# Altium PCB DemetrioGurgel - PCEIoT.PcbDoc (part 2 of 3)
Units mm, origin at the board's own origin, x right, y up, seen from the top; angles counter-clockwise.
Board outline 125 x 60 mm, 4 copper layers (Top Copper, Top Ref, Botton Ref, Bottom Copper), stack 1.586 mm thick; 166 components, 93 nets, 454 pads, 542 vias.
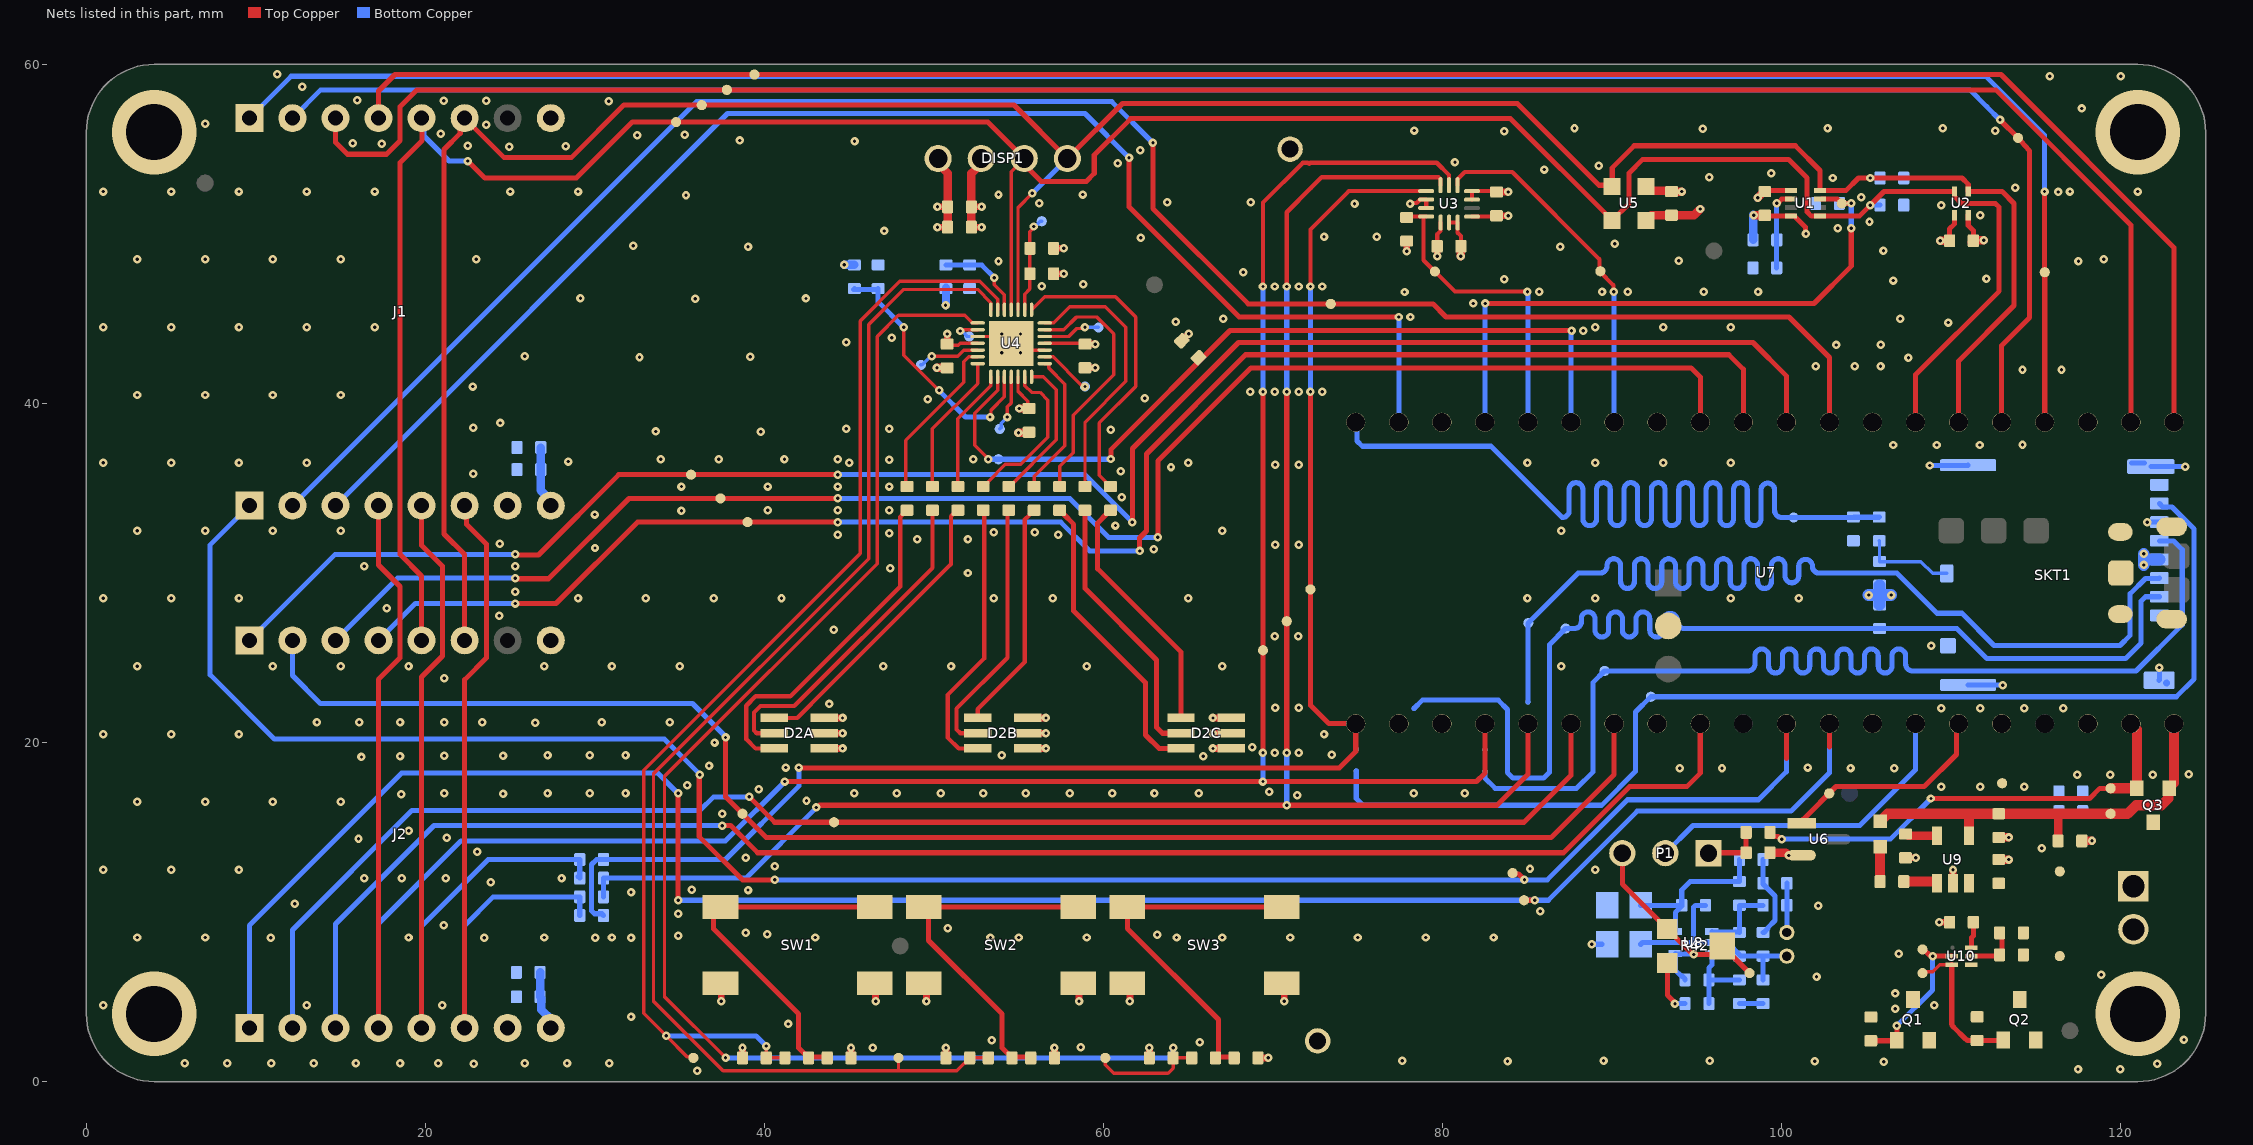
[diagram p4: the nets of this part, all layers, seen from the top]

## Part data
+3V3 AN1 AN2 BTN1 BTN2 BTN3 CLK COUT CS DI DO DOUT DT ICS IINT INT1 INT2 IO3 IO4 IO11 IO12 MISO MOSI OINT OSCIO PWM1 PWM2 RST1 RST2 RX1 RX2 SCK SCL SDA SINT SOUT SRST TX1 TX2 VBAT+ VBAT- VBUS VREF VSYS: library part CMP-00028-00002-2, "0.6mm round", Pins=1
C1 C4 C5 C19: library part CMP-001-00084-1, "Multilayer Ceramic Capacitor, 0.01 uF, 50 V, ± 10%, X7R, 0603 [1608 Metric]", Case Code (Imperial)=0603, Case Code (Metric)=1608, Dielectric=X7R, Max Operating Temperature=125°C, Min Operating Temperature=-55°C, Package Quantity=1, Tolerance=10%, Voltage=50V, Case/Package=0603, Construction=Flat, Depth=0.8mm, Height=0.92mm, Lead Free="Lead Free", Length=1.6mm, Mounting Technology="Surface Mount", Packaging="Tape and Reel", Pins=2, Reach SVHC Compliant=Unknown, RoHS Compliant=Yes, Series=VJ, Termination=SMD/SMT, Thickness=0.036inch, Voltage Rating=50V, Voltage Rating (DC)=50V, Weight=7.1E-05oz, Width=0.031inch
C2 C3: library part CMP-001-00076-4, "Chip Capacitor, 4.7µF +/-20%, 10V, 0603, Thickness 1 mm", Case/Package=0603, Max Operating Temperature=85°C, Min Operating Temperature=-55°C, Tolerance=10%, Voltage Rating=10V, Mounting Technology=SMT, Pins=2
C6 C7 C9 C11 C12 C13 C14 C15 C16 C17 C18 C20 C21 C22 C23 C24 C25 C26 C27 C28 C29: library part CMP-001-00085-1, "Multilayer Ceramic Capacitor, 0.1 uF, 16 V, ± 20%, X7R, 0603 [1608 Metric]", Case Code (Imperial)=0603, Case Code (Metric)=1608, Dielectric=X7R, Dielectric Material=Tantalum, Max Operating Temperature=125°C, Min Operating Temperature=-55°C, Package Quantity=4000, Tolerance=20%, Voltage Rating=16V, Case/Package=0603, Construction=Flat, Depth=0.8mm, Height=0.95mm, Lead Free="Lead Free", Length=1.6mm, Mounting Technology="Surface Mount", Packaging="Tape and Reel", RoHS Compliant=Yes, Series=VJ, Termination=SMD/SMT, Voltage Rating (DC)=16V, Width=0.8mm
C30: library part CMP-001-00088-1, "Multilayer Ceramic Capacitor, 100 pF, 50 V, ï¿½ 10%, C0G (NP0), 0603 [1608 Metric]", Case Code (Imperial)=0603, Case Code (Metric)=1608, Dielectric=C0G, Dielectric Material=Ceramic, Max Operating Temperature=125°C, Min Operating Temperature=-55°C, Package Quantity=1, Temperature Coefficient=30ppm/°C, Tolerance=10%, Voltage Rating=50V, Case/Package=0603, Construction=Flat, Depth=0.8mm, Dissipation Factor=0.1%, Height=0.8mm, Lead Free="Lead Free", Lead Pitch=0.7mm, Length=1.6mm, Material=Ceramic, Mounting Technology="Surface Mount,PCB", Packaging="Tape and Reel", Radiation Hardening=No, Reach SVHC Compliant=No, RoHS Compliant=Yes, Series=C, Termination=SMD/SMT, Thickness=0.034inch, Voltage Rating (DC)=50V, Width=0.031inch
C31: library part CMP-001-00087-1, "Multilayer Ceramic Capacitor, 10 uF, 6.3 V, ± 20%, X5R, 0603 [1608 Metric]", Case Code (Imperial)=0603, Case Code (Metric)=1608, Dielectric=X5R, Max Operating Temperature=85°C, Min Operating Temperature=-55°C, Package Quantity=4000, Tolerance=20%, Voltage Rating=6.3V, Case/Package=0603, Height=0.8mm, Lead Free="Lead Free", Length=1.6mm, Mounting Technology="Surface Mount", Packaging="Cut Tape", RoHS Compliant=Yes, Series=GRM, Termination=Standard, Voltage Rating (DC)=6.3V, Weight=0.000222oz, Width=0.8mm
D2A D2B D2C: library part CMP-007-00036-1, "LED Tri-Color Blue/Green/Red 469nm/529nm/623nm Chip LED 6-Pin PLCC T/R", Case/Package=PLCC, Color=Blue,Green,Red, Forward Current=20mA, Forward Voltage=3.1V, Max Operating Temperature=100°C, Min Operating Temperature=-40°C, Package Quantity=2000, Reverse Voltage=4V, Contact Plating=Silver, Dominant Wavelength=469nm, Height=2mm, Length=3mm, Lens Size=2.3mm, Lens Style=Flat,Square,Diffused,Rectangular, Lens Transparency=Diffused, Luminous Intensity=384mcd, Mounting Technology="Surface Mount", Number of LEDs=3, Orientation="Top View", Packaging="Cut Tape", Pins=6, Reach SVHC Compliant=No, Series=-, Test Current=20mA, Viewing Angle=120°, Weight=40mg, Width=2.8mm
DISP1: library part CMP-003-00030-5, "0.96 Inch I2C OLED Display Module"
DS1: library part CMP-007-00004-2, "Chip LED, Red, 5 V, 25 mA, -40 to 85 degC, 2-Pin SMD (0603), RoHS, Tape and Reel", Case/Package=0603, Colour=Red, Forward Voltage=2.2V, Manufacturer="Everlight Electronics", Package Description="2-Pin Surface Mount Device, Body 1.6 x 0.8 mm", Datasheet URL=https://datasheet.ciiva.com/4688/el-19-217-r6c-al1m2vy-3tpdf-187026-4688713.pdf, Datasheet Version="Rev. 1, 01/2005", Lens Style=Clear, Manufacturer URL=http://www.everlight.com/, Mounting Technology=SM, Package Reference=0603, RoHS Compliant=False
FD1 FD2 FD3 FD4 FD5 FD6 FD7 FD8: library part CMP-00028-00005-5, "Fiducial - Round 1x2mm", Pins=0
J1 J2: library part CMP-002-00071-3, "MikroBus shield pico"
J3: library part CMP-002-00073-1, "Connector 250V AC/DC 5A 2P 1 Row PCB - Vertical Mounting Polyester White", Color=Beige, Contact Current Rating=5A, Flammability Rating="UL94 V-0", Housing Color=Natural, Max Operating Temperature=221°C, Min Operating Temperature=-67°C, Operating Supply Voltage=250V, Package Quantity=5000, Approvals=CSA, Backwall/Post Interruptions="No (Without)", Circuit Application=Signal, Connector System=Wire-to-Board, Connector Type=Connector,Pin,Plug,Header, Contact Material="Copper Alloy", Contact Mating Length=7.49mm, Contact Plating=Tin, Contact Post Length=3.56mm, Contact Retention="No (Without)", Contact Shape=Square, Contact Style=Straight, Current Rating=5A, Gender=Male, Height=7.87mm, Housing Material=Polyester, Lead Free="Lead Free", Length=7.62mm, Mating Alignment="No (Without)", Mating Connector Lock="Yes (With)", Mating Retention="No (Without)", Mounting Ears="No (Without)", Mounting Technology="Through Hole", Number of Contacts=2, Number of Positions=2, Number of Rows=1, Orientation=Straight, Panel Mount Retention="No (Without)", PCB Mount Alignment="No (Without)", PCB Mount Retention=Without, PCB Mounting Orientation=Vertical, PCB Thickness=0.063inch, Pitch=2.54mm, Plating=Tin, Plating Thickness=3.81um, Reach SVHC Compliant=Unknown, RoHS Compliant=Yes, Sealable="No (Without)", Series=MTA-100, Shrouded="No (Without)", Strain Relief="No (Without)", Tail Length=0.14inch, Termination=Solder, Voltage Rating=250V, Voltage Rating (AC)=250V, Voltage Rating (DC)=250V
L1 L2: library part CMP-006-00000-3, "IND, Chip Ferrite Bead, 330 Ohm, +/- 25%, 1.5 A, -55 to 125 degC, 0805 (2012 Metric), Tape and Reel", Case/Package=0805, Current Rating=1.5A, Manufacturer=Murata, Max Operating Temperature=125°C, Min Operating Temperature=-55°C, Package Description="2-Pin Surface Mount Device, Body 2 x1.25 mm", Package Quantity=4000, Resistance=90mohm, Tolerance=25%, Core Material=Ferrite, Datasheet URL=http://psearch.en.murata.com/inductor/product/LQG15HS15NJ02_.pdf, Datasheet Version=Nov-11, Impedance=330Ohm, Max Current Rating=1.5A, Mounting Technology=SM, Package Reference=0805, Packaging=TapeandReel, RoHS Compliant=True
MK1: library part CMP-010-000001-2, "4.0 mm, Omnidirectional, PCB Mount, 2.0 Vdc, Elecret Condenser Microphone", Clock Frequency=10kHz, Frequency=100Hz, Operating Supply Current=500uA, Operating Supply Voltage=2V, Package=None, Availability=Unavailable, Component Type=Standard, Design Item ID=CMEJ-0415-42-LP, Direction=Omnidirectional, Height=1.5mm, Length=4mm, MF="{'manufacturer': u'CUI'}", MP=CMEJ-0415-42-LP, Output Type=Analog, Pin Count=2, Price=None, Series=CMEJ, Shape=Circular, Source=CMEJ-0415-42-LP.SchLib, Termination="PC Pins", Voltage Rating=2V, Width=4mm
NT1 NT2 NT3 NT4: library part CMP-001-0003-6, "Net Tie 0.3mm"
P1: library part CMP-002-00076-1, "KK 254 Breakaway Header Vertical 3 Circuits 0.38um Gold Selective Plating Mating Pin 6.09mm", Color=Black, Contact Resistance=20mR, Current Rating=4A, Flammability Rating="UL94 V-0", Max Operating Temperature=75°C, Max Voltage Rating (AC)=250V, Min Operating Temperature=0°C, Package Quantity=1, Contact Material=Brass,Bronze, Contact Mating Length=0.24inch, Contact Plating=Gold, Contact Type="Male Pin", Depth=2.49mm, Gender=Male, Glow Wire Compliant=Non-compliant, Housing Color=Black, Housing Material=Nylon, Lead Free="Lead Free", Max Voltage Rating (DC)=250V, Mounting Technology="Through Hole", Number of Circuits=3, Number of Contacts=3, Number of Positions=3, Number of Rows=1, Orientation=Straight, Packaging=Bulk, Pitch=2.54mm, Radiation Hardening=No, Reach SVHC Compliant=Unknown, RoHS Compliant=Yes, Series="KK® 42375", Termination=Solder, Voltage Rating=250V, Voltage Rating (DC)=250V
Q1 Q2: library part CMP-013-00035-1, "N-Channel 12 V 10 mO 50.6 nC SMT Enhancement Mode Mosfet - SC-59 (SOT-23)", Case/Package=TO-236-3, Continuous Drain Current (ID)=9.3A, Drain to Source Resistance=41mR, Drain to Source Voltage (Vdss)=12V, Gate to Source Voltage (Vgs)=4.5V, Input Capacitance=2.426nF, Max Operating Temperature=150°C, Max Power Dissipation=680mW, Min Operating Temperature=-55°C, Package Quantity=3000, Fall Time=16.8ns, Lead Free="Lead Free", Mounting Technology="Surface Mount", Number of Channels=1, Packaging="Tape and Reel", Polarity=N-CHANNEL, Rds On Max=10mR, Rise Time=57.6ns, RoHS Compliant=Yes, Series=-, Turn-Off Delay Time=22.2ns, Turn-On Delay Time=7.6ns, Weight=0.000282oz
Q3: library part CMP-013-00036-1, "P-Channel Enhancement Mode Power MOSFET", Current - Continuous Drain (Id) @ 25°C="9A (Tc)", Drain to Source Voltage (Vdss)="20 V", Drive Voltage (Max Rds On, Min Rds On)="2.5V, 4.5V", FET Type=P-Channel, Rds On (Max) @ Id, Vgs="20mOhm @ 1A, 4.5V", Vgs (Max)=±12V
R1 R38 R41 R45: library part CMP-009-00014-6, "Chip Resistor, 1 KOhm, +/-1%, 0.1 W, -55 to 155 degC, 0603 (1608 Metric)", Case/Package=0603, Max Operating Temperature=155°C, Min Operating Temperature=-55°C, Power=100mW, Tolerance=1%, Voltage Rating=50V, Mounting Technology=SM, Pins=2, RoHS Compliant=True
R2 R3 R4 R8 R11 R12 R13 R14 R18 R21 R22 R23 R26 R27 R36 R37 R44: library part CMP-009-00017-7, "Chip Resistor, 10 KOhm, +/- 1%, 01 W, -55 to 155 degC, 0603 (1608 Metric)", Case/Package=0603, Max Operating Temperature=155°C, Min Operating Temperature=-55°C, Power=100mW, Tolerance=1%, Voltage Rating=50V, Mounting Technology=SM, Pins=2, RoHS Compliant=True
R5 R6 R7 R9 R10 R19 R20 R24 R30 R31: library part CMP-009-00006-6, "Chip Resistor, 0 Ohm, 0.1 W, -55 to 155 degC, 0603 (1608 Metric)", Case/Package=0603, Max Operating Temperature=155°C, Min Operating Temperature=-55°C, Power=100mW, Tolerance=5%, Voltage Rating=50V, Mounting Technology=SM, Pins=2, RoHS Compliant=True
R15A R15B R15C: library part CMP-009-00189-1, "Res Thick Film 0603 300 Ohm 5% 1/10W ±200ppm/°C Molded SMD Punched Carrier T/R", Case Code (Imperial)=0603, Case Code (Metric)=1608, Max Operating Temperature=155°C, Max Power Dissipation=100mW, Min Operating Temperature=-55°C, Package Quantity=1, Resistance Tolerance=5%, Resistor Type="Thick Film", Temperature Coefficient=200ppm/°C, Voltage Rating=75V, Case/Package=0603, Construction=Rectangular, Contact Plating=Tin, Depth=0.8mm, Features="Automotive AEC-Q200", Height=0.45mm, Lead Free="Lead Free", Length=1.6mm, Military Standard=Not, Mounting Technology="Surface Mount", Number of Terminations=2, Packaging="Tape and Reel", Pins=2, Power Rating=100mW, Radiation Hardening=No, Reach SVHC Compliant=Unknown, RoHS Compliant=Yes, Series=ERJ, Technology="THICK FILM", Termination=SMD/SMT, Tolerance=5%, Voltage Rating (DC)=75V, Weight=7.1E-05oz, Width=0.8mm
R16A R16B R16C R17A R17B R17C: library part CMP-009-00188-1, "SMD Chip Resistor, 100 Ohm, ï¿½ 1%, 100 mW, 0603 [1608 Metric], Thick Film, Precision", Case Code (Imperial)=0603, Case Code (Metric)=1608, Max Operating Temperature=155°C, Max Power Dissipation=100mW, Min Operating Temperature=-55°C, Package Quantity=5000, Resistance Tolerance=1%, Resistor Type="Thick Film", Temperature Coefficient=100ppm/°C, Voltage Rating=75V, Case/Package=0603, Construction=Rectangular, Contact Plating=Tin, Depth=0.8mm, Features="Automotive AEC-Q200", Height=0.45mm, Lead Free="Lead Free", Length=1.6mm, Military Standard=Not, Mounting Technology="Surface Mount", Number of Terminations=2, Packaging="Tape and Reel", Power Rating=100mW, Radiation Hardening=No, Reach SVHC Compliant=No, RoHS Compliant=Yes, Series=ERJ, Termination=SMD/SMT, Tolerance=1%, Voltage Rating (DC)=75V, Weight=7.1E-05oz, Width=0.8mm
R25 R28: library part CMP-009-00185-1, "Res Thick Film 0603 4.7M Ohm 5% 0.1W -400ppm/°C to 150ppm/°C Molded SMD Punched Carrier T/R", Case Code (Imperial)=0603, Case Code (Metric)=1608, Max Operating Temperature=155°C, Max Power Dissipation=100mW, Min Operating Temperature=-55°C, Package Quantity=1, Resistance Tolerance=5%, Resistor Type="Thick Film", Temperature Coefficient=150ppm/°C, Voltage Rating=75V, Voltage Rating (DC)=50V, Case/Package=0603, Construction=Rectangular, Contact Plating=Tin, Depth=0.8mm, Features="Automotive AEC-Q200", Height=0.45mm, Lead Free="Lead Free", Length=1.6mm, Military Standard=Not, Mounting Technology="Surface Mount", Number of Terminations=2, Packaging="Tape and Reel", Power Rating=100mW, Reach SVHC Compliant=Unknown, RoHS Compliant=Yes, Series=ERJ, Technology="THICK FILM", Termination=SMD/SMT, Tolerance=5%, Weight=7.1E-05oz, Width=0.8mm
R32: library part CMP-009-00181-1, "SMD Chip Resistor, 2 kOhm, ï¿½ 1%, 100 mW, 0603 [1608 Metric], Thick Film, Precision", Case Code (Imperial)=0603, Case Code (Metric)=1608, Max Operating Temperature=155°C, Max Power Dissipation=100mW, Min Operating Temperature=-55°C, Package Quantity=1, Resistance Tolerance=1%, Resistor Type="Thick Film", Temperature Coefficient=100ppm/°C, Voltage Rating=75V, Voltage Rating (DC)=50V, Case/Package=0603, Construction=Rectangular, Contact Plating=Tin, Depth=0.8mm, Features="Automotive AEC-Q200", Height=0.022inch, Lead Free="Lead Free", Length=1.6mm, Military Standard=Not, Mounting Technology="Surface Mount", Number of Terminations=2, Packaging="Tape and Reel", Pins=2, Power Rating=100mW, Radiation Hardening=No, Reach SVHC Compliant=No, RoHS Compliant=Yes, Series=ERJ, Termination=SMD/SMT, Tolerance=1%, Width=0.8mm
R33: library part CMP-009-00182-1, "Res Thick Film 0603 470 Ohm 5% 0.1W(1/10W) ±200ppm/°C Pad SMD Automotive T/R", Case Code (Imperial)=0603, Case Code (Metric)=1608, Max Operating Temperature=155°C, Max Power Dissipation=100mW, Min Operating Temperature=-55°C, Package Quantity=5000, Ratings=AEC-Q200, Resistance Tolerance=5%, Resistor Type="Thick Film", Temperature Coefficient=200ppm/°C, Voltage Rating=75V, Case/Package=0603, Construction=Rectangular, Contact Plating=Tin, Depth=0.85mm, Features="Automotive AEC-Q200", Height=0.45mm, Lead Free="Lead Free", Length=1.55mm, Military Standard=Not, Number of Terminations=2, Packaging="Tape and Reel", Power Rating=100mW, Radiation Hardening=No, Reach SVHC Compliant=Unknown, RoHS Compliant=Yes, Series=CRCW, Technology="THICK FILM", Termination=SMD/SMT, Tolerance=5%, Weight=7.1E-05oz, Width=0.85mm, Working Voltage=75V
R34: library part CMP-009-00184-1, "SMD Chip Resistor, 330 Ohm, ± 1%, 100 mW, 0603 [1608 Metric], Thick Film, Precision", Case Code (Imperial)=0603, Case Code (Metric)=1608, Current Rating=500mA, Max Operating Temperature=155°C, Max Power Dissipation=100mW, Min Operating Temperature=-55°C, Package Quantity=5000, Resistance Tolerance=1%, Resistor Type="Thick Film", Temperature Coefficient=100ppm/°C, Voltage Rating=75V, Case/Package=0603, Construction=Rectangular, Contact Material=Copper, Contact Plating=Tin, Depth=0.8mm, Features="Automotive AEC-Q200", Gender=Male, Height=0.45mm, Lead Free="Lead Free", Lead Pitch=1.1mm, Length=1.6mm, Military Standard=Not, Mounting Technology="Surface Mount", Number of Terminations=2, Packaging="Tape and Reel", Pins=2, Power Rating=100mW, Radiation Hardening=No, Reach SVHC Compliant=No, RoHS Compliant=Yes, Series=ERJ, Termination=SMD/SMT, Tolerance=1%, Voltage Rating (DC)=75V, Weight=7.1E-05oz, Width=0.8mm
R35 R43: library part CMP-009-00186-1, "SMD Chip Resistor, 2.2 kOhm, ± 1%, 100 mW, 0603 [1608 Metric], Thick Film, General Purpose", Case Code (Imperial)=0603, Case Code (Metric)=1608, Max Operating Temperature=155°C, Max Power Dissipation=100mW, Min Operating Temperature=-55°C, Package Quantity=10, Ratings=AEC-Q200, Resistance Tolerance=1%, Resistor Type="Thick Film", Temperature Coefficient=100ppm/°C, Voltage Rating=75V, Case/Package=0603, Construction=Rectangular, Contact Plating=Tin, Depth=0.85mm, Features="Automotive AEC-Q200", Height=0.45mm, Lead Free="Lead Free", Length=1.55mm, Military Standard=Not, Number of Terminations=2, Packaging="Tape and Reel", Power Rating=100mW, Radiation Hardening=No, Reach SVHC Compliant=Unknown, RoHS Compliant=Yes, Series=CRCW, Technology="THICK FILM", Termination=SMD/SMT, Tolerance=1%, Voltage Rating (DC)=75V, Weight=7.1E-05oz, Width=0.033inch
R39 R40: library part CMP-009-00023-6, "Chip Resistor, 100 KOhm, +/- 1%, 0.1 W, -55 to 155 degC, 0603 (1608 Metric)", Case/Package=0603, Max Operating Temperature=155°C, Min Operating Temperature=-55°C, Power=100mW, Tolerance=1%, Voltage Rating=50V, Mounting Technology=SM, Pins=2, RoHS Compliant=True
R42: library part CMP-009-00187-1, "Cermet trimmer potentiometer, 100 kΩ, 0.1 W, SMD, on top, TC33X-2-104E", Max Operating Temperature=100°C, Max Power Dissipation=100mW, Min Operating Temperature=-40°C, Package Quantity=1, Resistance Tolerance=25%, Resistor Type=Carbon,Cermet, Temperature Coefficient=250ppm/°C, Voltage Rating (DC)=50V, Depth=3.8mm, Height=0.047inch, Length=0.15inch, Military Standard=Not, Mounting Technology="Surface Mount", Number of Turns=1, Packaging="Tape and Reel", Pins=2, Power Rating=100mW, Radiation Hardening=No, Reach SVHC Compliant=No, RoHS Compliant=Yes, Series=TC33, Termination="Foot Print", Tolerance=25%, Weight=29.4mg, Width=0.118inch
SKT1: library part CMP-002-00049-5, "Micro SD Card Connector, Pitch 1.1 mm, 8 Position, Height 1.4 mm, -25 to 85 degC, RoHS, Tape and Reel", Pins=14
SW1 SW2 SW3: library part CMP-011-00013-1, "Switch Tactile OFF (ON) SPST Round Button Gull Wing 0.05A 12VDC 1.57N SMD Loose Piece", Case/Package=SMD/SMT, Color=Black, Contact Current Rating=50mA, Insulation Resistance=100MR, Max Operating Temperature=85°C, Min Operating Temperature=-35°C, Operating Force=1.57N, Package Quantity=750, Voltage Rating=24V, Actuator Length=1.4mm, Actuator Material=Polyphenylene, Actuator Type=Standard, Contact Material="Copper Alloy,Silver", Contact Plating=Silver, Current Rating=50mA, Depth=10mm, ELV=Compliant, Illumination Type=Non-Illuminated,Illuminated, Lead Free="Lead Free", Length=6mm, Max Current Rating=50mA, Mechanical Life=100000Cycles, Mounting Technology="Surface Mount", Orientation=Straight, Packaging=Bulk, Reach SVHC Compliant=Unknown, RoHS Compliant=Yes, Series=FSMJSMA, Switch Function=Off-Mom, Switch Travel=0.25mm, Termination="Gull Wing", Throw Configuration=SPST, Voltage Rating (DC)=24V, Width=6mm
TP1 TP2: library part CMP-002-00037-2, "Test Point, Orange, Height 4.6 mm, Tail Length 3 mm, 1-Pin THD, RoHS", Colour=Orange, Manufacturer=Keystone, Package Description="1-Pin Through Hole Device, Dia 2.54 mm", Package Quantity=10, Case/Package=5003, Connector Type=TestPoint, Contact Material=Bronze, Contact Plating=Tin, Datasheet URL=http://keyelco.com/userAssets/file/M65p56.pdf, Datasheet Version=Jun-15, Diameter=2.54mm, Manufacturer URL=http://www.keyelco.com/, Mounting Technology=TH, Package Reference=5003, Packaging=Bulk, Pins=1, RoHS Compliant=True
U1: library part CMP-010-00031-2, "High-speed high-precision digital ambient light sensor (ALS) 8-SOT-5X3 -40 to 85", Height=600um, Length=2.1mm, Pins=8, Thickness=550um, Width=1.2mm
U2: library part CMP-010-00033-3, "Humidity And Temperature Sensor"
U3: library part CMP-010-00032-3, "Mems Module, 1.71-3.6 V, Lga-14 Rohs Compliant: Yes", Min Operating Temperature=-40°C, Length=2.5mm, Width=3mm
U4: library part CMP-016-00011-5, "IC Gpio Expander I2C 16CH 28QFN / I2C Interface 5.5V 28-PIN Qfn-ut Ep T/r", Case/Package=QFN, Frequency=400kHz, Max Operating Temperature=85°C, Min Operating Temperature=-40°C, Interface=I2C, Lead Free="Lead Free", Mounting Technology="Surface Mount", Number of I/Os=16, Packaging="Cut Tape", Pins=28, RoHS Compliant=Yes, Series=-
U5: library part CMP-010-00027-2, "Pressure Sensor, Barometric, 300 mbar, 1200 mbar, QFN, 8, -40 C", Case/Package=QFN, Max Operating Temperature=85°C, Max Supply Voltage=3.6V, Min Operating Temperature=-40°C, Min Supply Voltage=1.8V, Supply Current=20.09uA, Height=1mm, Lead Free="Lead Free", Packaging="Cut Tape", Pins=8, Pressure Type=Barometric, Reach SVHC Compliant=No, RoHS Compliant=Yes
U6: library part CMP-004-00033-1, "LM4040 Series 2.5 V ±1 % Precision Micropower Shunt Voltage Reference - SOT-23", Case/Package=SOT-23, Cathode Current=70uA, Current Rating=15mA, Max Operating Temperature=85°C, Max Output Voltage=2.5V, Min Operating Temperature=-40°C, Output Voltage=10V, Package Quantity=3000, Supply Current=500nA, Temperature Coefficient=150ppm/°C, Tolerance=1%, Height=1.01mm, Lead Free="Lead Free", Length=2.92mm, Max Output current=15mA, Min Output Voltage=2.5V, Mounting Technology="Surface Mount", Output Current=15mA, Output Type=Fixed, Packaging="Tape and Reel", Pins=3, Radiation Hardening=No, Reach SVHC Compliant=No, Reference Type=Shunt, Reference Voltage=2.5V, RoHS Compliant=Yes, Series=-, Width=1.3mm
U7: library part CMP-006-000001-6, "Raspberry Pi Pico W RP2040", Package=None, Availability="In Stock", Check_prices=https://www.snapeda.com/parts/SC0918/Raspberry+Pi/view-part/?ref=eda, Component Type=Standard, Design Item ID=SC0918, MF="Raspberry Pi", MP=SC0918, Pin Count=53, Price=None, Purchase-URL=https://pricing.snapeda.com/search/part/SC0918/?ref=eda, SnapEDA_Link=https://www.snapeda.com/parts/SC0918/Raspberry+Pi/view-part/?ref=snap, Source=SC0918.SchLib
U8: library part CMP-00027-00002-4, "Audio Amp Microphone 1-CH Mono Class-AB 5-Pin SC-70 T/R", Max Operating Temperature=85°C, Max Supply Voltage=5.5V, Min Operating Temperature=-40°C, Min Supply Voltage=2.4V, Power Supply Rejection Ratio (PSRR)=112dB, Gain Bandwidth Product=600kHz, Mounting Technology="Surface Mount", Packaging="Tape and Reel", Radiation Hardening=No, RoHS Compliant=No, Series=-
U9: library part CMP-001-0001-1, "MCP73831 Series Single-Cell Li-Ion/Li-Polymer Battery Charge Controller SOT-23-5", Battery Pack Voltage=4.2V, Case/Package=SOT-23, Drain to Source Resistance=350mR, Max Charge Current=500mA, Max Operating Temperature=85°C, Max Output Voltage=4.5V, Max Power Dissipation=1.54W, Max Supply Voltage=6V, Min Operating Temperature=-40°C, Min Output Voltage=4.168V, Min Supply Voltage=3.75V, Voltage Rating=4.534V, Fault Protection="Over Voltage", Height=1.3mm, Lead Free="Lead Free", Length=3.1mm, Mounting Technology="Surface Mount", Number of Cells=1, Number of Channels=1, Number Of Outputs=1, Output Current=500mA, Output Voltage=4.2V, Packaging="Tape and Reel", Pins=5, Radiation Hardening=No, Reach SVHC Compliant=No, RoHS Compliant=Yes, Series=-, Termination=SMD/SMT, Weight=0.00709oz, Width=1.8mm
U10: library part CMP-001-0002-1, "Li-Ion/Li Polymer Advanced Single-Cell Battery Protector IC Family 6-WSON -40 to 85", Case/Package=WFDFN, Max Operating Temperature=85°C, Min Operating Temperature=-40°C, Operating Supply Voltage=8V, Package Quantity=3000, Contact Plating=Gold, Fault Protection="Over Current,Short Circuit,Over/Under Voltage", Height=800um, Lead Free="Lead Free", Length=1.5mm, Mounting Technology="Surface Mount", Number of Cells=1, Packaging="Tape and Reel", Pins=6, RoHS Compliant=Yes, Series=-, Thickness=750um, Weight=0.000342oz, Width=1.5mm

## Via types
v1: diameter 0.5, hole 0.2, Top Copper to Bottom Copper, tented both sides, 534 vias
v2: diameter 5, hole 3.3, Top Copper to Bottom Copper, 4 vias
v3: diameter 3.2, hole 2.5, Top Copper to Bottom Copper, 4 vias

## Nets (pads, with @x,y where several pads share a name; then routed paths per layer and width w, separated by ;. In a path a pad name is that pad's centre, name@x,y a point inside that pad or via, vN(x,y) a via of type N, cw(c..) or ccw(c..) an arc to the next point about the centre after c; other vN are vias at no path point)
+3V3: +3V3.1 C6.1 C9.1 C11.2 C12.2 C14.1 C15.1 C16.1 C17.1 C18.1 C20.1 C21.1 C22.1 C25.1 C26.1 C27.1 C28.1 D2A.4 D2A.5 D2A.6 D2B.4 D2B.5 D2B.6 D2C.4 D2C.5 D2C.6 DISP1.2 J1.7 J2.7 L1.2 R2.2 R3.2 R8.2 R10.1 R12.1 R13.2 R18.2 R19.1 R21.1 R22.2 R23.2 R24.1 R27.2 R36.2 SKT1.4 U1.1 U2.3 U3.5 U3.8 U4.4 U4.12 U4.18 U5.1 U7.36 | length 42
  Top Copper w0.2: C21.1@50.763,43.425 51.425,43.425 51.55,43.55 U4.4@52.575,43.55 ; U4.12@54.95,41.575 54.95,40.717 55.529,40.138 55.529,39.778 C20.1@55.604,39.704 ; U4.18@56.525,43.55 C22.1@58.904,43.55 ; C22.1@58.904,43.504 C22.1@58.957,43.45
  Top Copper w0.25: C12.2@79.675,49.275 79.675,49.975 79.875,50.175 U3.5@79.875,50.675 ; U3.8@81.725,51.025 83.125,51.025 C11.2@83.175,51.075
  Top Copper w0.3: C14.1@98.997,52.5 99.047,52.55 U1.1@100.637,52.55 ; C6.1@109.9,49.6 109.9,50.3 110.2,50.6 U2.3@110.2,51.1
  Top Copper w0.4: D2A.4@43.525,19.65 v1(44.6,19.65) ; D2A.5@43.525,20.55 v1(44.6,20.55) ; D2A.6@43.525,21.45 v1(44.6,21.45) ; R13.2@45.1,1.4 v1(45.1,2) ; C21.1@50.771,43.5 v1(50.771,44.1) ; C17.1@52.2,50.4 v1(52.8,50.4) ; C18.1@52.2,51.6 v1(52.8,51.6) ; D2B.4@55.525,19.65 v1(56.6,19.65) ; D2B.5@55.525,20.55 v1(56.6,20.55) ; D2B.6@55.525,21.45 v1(56.6,21.45) ; R27.2@57.05,47.65 v1(57.65,47.65) ; v1(57.1,2) 57.1,1.5 R3.2@57.15,1.45 ; C22.1@58.904,43.504 v1(59.504,43.504) ; R36.2@64.605,43.695 v1(65.029,44.119) ; v1(66.45,19.65) D2C.4@67.525,19.65 ; v1(66.45,20.55) D2C.5@67.525,20.55 ; v1(66.45,21.45) D2C.6@67.525,21.45 ; R8.2@69.1,1.4 v1(69.7,1.4) ; v1(77.875,48.975) R21.1@77.875,49.575 ; v1(79.675,48.675) C12.2@79.675,49.275 ; C11.2@83.175,51.075 v1(83.875,51.075)
  Top Copper w0.5: C17.1@52.2,50.4 52.2,53.572 52.78,54.152 DISP1.2@52.78,54.45 ; v1(55.021,39.704) C20.1@55.604,39.704 ; U5.1@92,52.8 92.25,52.55 93.45,52.55 C9.1@93.5,52.5 v1(94.1,52.5) ; v1(98.591,52.126) 98.591,52.144 98.947,52.5 C14.1@98.997,52.5 ; v1(109.35,49.6) C6.1@109.9,49.6
  Bottom Copper w0.5: SKT1.4@122.175,30.9 SKT1.4@122.275,30.8
  Bottom Copper w0.7: v1(105.125,28.7) 105.775,28.7 ; R2.2@105.775,28.125 105.775,28.7 ; R18.2@105.775,29.275 105.775,28.7 ; v1(106.45,28.7) 105.775,28.7 ; v1(121.35,30.475) v1(121.35,31.125) ; 121.375,30.8 SKT1.4@122.275,30.8
  other v1: 109.4,17.4 111.7,17.4 114.3,17.4 109.4,22.025 111.7,22.025 114.3,22.025 116.6,22.025 106.575,37.55 109.15,37.55 111.675,37.55 114.2,37.575 114.2,42 116.5,42 102,42.2 104.3,42.2 105.825,42.2
+3V3A: C13.1 L1.1 R1.2 R39.2 U8.5 | length 9.9
  Bottom Copper w0.3: L1.1@91.685,10.4 C13.1@94.1,10.4 ; U8.5@93.725,8.85 93.725,9.975 94.1,10.35 C13.1@94.1,10.4 ; R1.2@97.5,13.1 R39.2@97.5,11.8 94.6,11.8 94.1,11.3 C13.1@94.1,10.4
AGND: C7.1 C13.2 C31.1 L2.1 MK1.N R40.1 U8.2 | length 13.3
  Bottom Copper w0.3: L2.1@91.685,8.1 91.785,8.2 95,8.2 ; C13.2@95.5,10.4 94.917,10.4 94.8,10.283 94.8,8.4 95,8.2 ; C31.1@98.9,6 C7.1@98.9,7.4 ; MK1.N@100.3,7.4 C7.1@98.9,7.4 ; 95,8.2 U8.2@95.875,8.2 96.8,8.2 97.6,7.4 C7.1@98.9,7.4
BTN_1: BTN1.1 C5.2 R14.2 U4.27 | length 68.2
  Top Copper w0.2: BTN1.1@35.8,1.4 35.726,1.474 35.426,1.474 v1(34.2,2.7) 32.879,4.021 32.879,18.379 45.65,31.15 45.65,44.864 47.986,47.2 52.707,47.2 53.75,46.157 U4.27@53.75,45.525 ; v1(40.1,2.1) C5.2@40.1,1.4 R14.2@41.2,1.4
  Bottom Copper w0.3: v1(34.2,2.7) 39.5,2.7 v1(40.1,2.1)
BTN_2: BTN2.1 C1.2 R4.2 U4.28 | length 76.5
  Top Copper w0.2: BTN2.1@47.9,1.4 47.9,0.697 47.853,0.65 ; R4.2@53.2,1.4 C1.2@52.1,1.4 52.1,1.35 51.87,1.12 51.82,1.12 51.35,0.65 47.853,0.65 ; U4.28@53.35,45.525 53.35,45.95 52.575,46.725 48.218,46.725 46.15,44.657 46.15,30.85 33.45,18.15 33.45,4.75 37.55,0.65 47.853,0.65
BTN_3: BTN3.1 C4.2 R11.2 U4.1 | length 90
  Top Copper w0.2: v1(37.7,1.4) 34.1,5 34.1,18 46.65,30.55 46.65,43.95 47.9,45.2 51.8,45.2 52.25,44.75 U4.1@52.575,44.75 ; BTN3.1@60.1,1.6 60.1,1 60.6,0.5 63.8,0.5 64.1,0.8 C4.2@64.1,1.4 ; v1(64.1,2) C4.2@64.1,1.4 ; R11.2@65.2,1.4 C4.2@64.1,1.4
  Bottom Copper w0.3: v1(37.7,1.4) 63.924,1.4 64.1,1.576 v1(64.1,2)
CLK: CLK.1 NT2.2 SKT1.5 | length 67.4
  Bottom Copper w0.3: NT2.2@82.5,18.3 82.5,17.9 83.1,17.3 87.9,17.3 88.875,18.275 88.875,23.55 CLK.1@89.55,24.225 97.864,24.225 98.014,24.225 ccw(c98.014,24.629) 98.418,24.629 98.418,25.11 cw(c98.822,25.11) 99.226,25.11 99.226,24.506 ccw(c99.63,24.506) 100.034,24.506 100.034,25.11 cw(c100.438,25.11) 100.842,25.11 100.842,24.506 ccw(c101.246,24.506) 101.65,24.506 101.65,25.11 cw(c102.054,25.11) 102.458,25.11 102.458,24.506 ccw(c102.862,24.506) 103.266,24.506 103.266,25.11 cw(c103.67,25.11) 104.074,25.11 104.074,24.506 ccw(c104.478,24.506) 104.882,24.506 104.882,25.11 cw(c105.286,25.11) 105.69,25.11 105.69,24.506 ccw(c106.094,24.506) 106.498,24.506 106.498,25.11 cw(c106.902,25.11) 107.306,25.11 107.306,24.629 ccw(c107.71,24.629) 107.71,24.225 108.605,24.225 120.9,24.225 123.625,26.95 123.625,31.375 123.1,31.9 SKT1.5@122.275,31.9
CS: CS.1 NT1.2 R2.1 SKT1.2 | length 67.9
  Bottom Copper w0.3: NT1.2@78.31,22.011 78.8,22.5 83.275,22.5 83.825,21.95 83.825,18.225 84.15,17.9 85.95,17.9 86.3,18.25 86.3,25.775 CS.1@87.25,26.725 87.622,26.725 87.772,26.725 ccw(c87.772,27.129) 88.176,27.129 88.176,27.299 cw(c88.58,27.299) 88.984,27.299 88.984,26.633 ccw(c89.388,26.633) 89.792,26.633 89.792,27.299 cw(c90.196,27.299) 90.6,27.299 90.6,26.633 ccw(c91.004,26.633) 91.408,26.633 91.408,27.299 cw(c91.812,27.299) 92.216,27.299 92.216,26.633 ccw(c92.62,26.633) 93.024,26.633 93.024,27.216 cw(c93.428,27.216) 93.832,27.216 93.832,27.129 ccw(c94.236,27.129) 94.236,26.725 96.436,26.725 R2.1@105.775,26.725 110.325,26.725 112.1,24.95 120.275,24.95 121.2,25.875 121.2,28.35 121.45,28.6 SKT1.2@122.275,28.6
DET_SW: C19.2 DT.1 R26.1 U7.20 | length 67.9
  Bottom Copper w0.3: U7.20@74.872,38.893 74.945,38.82 74.945,37.791 75.26,37.475 82.851,37.475 86.503,33.823 87.051,33.275 87.057,33.275 ccw(c87.057,33.679) 87.461,33.679 87.461,34.926 cw(c87.865,34.926) 88.269,34.926 88.269,33.194 ccw(c88.673,33.194) 89.077,33.194 89.077,34.926 cw(c89.481,34.926) 89.885,34.926 89.885,33.194 ccw(c90.289,33.194) 90.693,33.194 90.693,34.926 cw(c91.097,34.926) 91.501,34.926 91.501,33.194 ccw(c91.905,33.194) 92.309,33.194 92.309,34.926 cw(c92.713,34.926) 93.117,34.926 93.117,33.194 ccw(c93.521,33.194) 93.925,33.194 93.925,34.926 cw(c94.329,34.926) 94.733,34.926 94.733,33.194 ccw(c95.137,33.194) 95.541,33.194 95.541,34.926 cw(c95.945,34.926) 96.349,34.926 96.349,33.194 ccw(c96.753,33.194) 97.157,33.194 97.157,34.926 cw(c97.561,34.926) 97.965,34.926 97.965,33.194 ccw(c98.369,33.194) 98.773,33.194 98.773,34.894 cw(c99.177,34.894) 99.581,34.894 99.581,33.679 ccw(c99.985,33.679) 99.985,33.275 DT.1@100.7,33.275 101.841,33.275 102.422,33.275 104.25,33.275 104.263,33.287 105.737,33.287 R26.1@105.75,33.3
DI: DI.1 NT3.2 SKT1.3 | length 67.9
  Bottom Copper w0.3: NT3.2@85.027,22.388 85.027,27.027 DI.1@85.05,27.05 87.995,29.995 89.134,29.995 89.284,29.995 ccw(c89.284,30.399) 89.688,30.399 89.688,30.436 cw(c90.092,30.436) 90.496,30.436 90.496,29.494 ccw(c90.9,29.494) 91.304,29.494 91.304,30.436 cw(c91.708,30.436) 92.112,30.436 92.112,29.494 ccw(c92.516,29.494) 92.92,29.494 92.92,30.436 cw(c93.324,30.436) 93.728,30.436 93.728,29.494 ccw(c94.132,29.494) 94.536,29.494 94.536,30.436 cw(c94.94,30.436) 95.344,30.436 95.344,29.494 ccw(c95.748,29.494) 96.152,29.494 96.152,30.436 cw(c96.556,30.436) 96.96,30.436 96.96,29.494 ccw(c97.364,29.494) 97.768,29.494 97.768,30.436 cw(c98.172,30.436) 98.576,30.436 98.576,29.494 ccw(c98.98,29.494) 99.384,29.494 99.384,30.436 cw(c99.788,30.436) 100.192,30.436 100.192,29.826 ccw(c100.596,29.826) 101,29.826 101,30.399 cw(c101.404,30.399) 101.808,30.399 ccw(c102.212,30.399) 102.212,29.995 105.031,29.995 106.78,29.995 109.15,27.625 110.625,27.625 112.525,25.725 119.95,25.725 120.55,26.325 120.55,28.775 121.451,29.676 122.251,29.676 SKT1.3@122.275,29.7
DO: DO.1 NT4.2 SKT1.7 | length 67.9
  Bottom Copper w0.3: NT4.2@74.9,18.33 74.9,16.7 75.3,16.3 89.375,16.3 91.375,18.3 91.375,21.797 DO.1@92.278,22.7 123.275,22.7 124.325,23.75 124.325,32.6 123.025,33.9 122.475,33.9 SKT1.7@122.275,34.1
GND: C1.1 C2.2 C3.2 C4.1 C5.1 C6.2 C9.2 C11.1 C12.1 C14.2 C15.2 C16.2 C17.2 C18.2 C19.1 C20.2 C21.2 C22.2 C23.2 C25.2 C26.2 C27.2 C28.2 DISP1.1 J1.8 J1.9 J2.8 J2.9 L2.2 Q1.3 R20.2 R25.1 R30.2 R31.2 R32.1 R35.1 R37.2 R45.1 SKT1.6 SKT1.10 SKT1.11 SKT1.12 SKT1.13 SKT1.14 SW1.3 SW1.4 SW2.3 SW2.4 SW3.3 SW3.4 TP1.1 TP2.1 U1.4 U2.4 U3.2 U3.3 U3.6 U3.7 U3.10 U3.11 U4.3 U4.17 U4.29 U5.4 U6.2 U7.3 U7.8 U7.13 U7.18 U7.23 U7.28 U7.33 U7.38 U7.A U7.B U7.C U7.D U7.F U7.TP1 U9.2 | length 59.7
  Top Copper w0.2: U4.3@52.575,43.95 54.15,43.95 U4.29@54.55,43.55 54.95,43.15 U4.17@56.525,43.15
  Top Copper w0.25: v1@78.075,51.871 78.1,51.846 v1@78.167,51.846 ; v1@78.096,51.775 v1(78.075,51.775) 78.123,51.823 78.473,51.823 78.675,52.025 U3.2@79.025,52.025 U3.3@79.025,51.525 ; U3.6@80.375,50.675 U3.7@80.875,50.675 80.875,50.075 81.075,49.875 C12.1@81.075,49.275 ; U3.10@81.725,52.025 U3.11@81.725,52.525 83.125,52.525 C11.1@83.175,52.475
  Top Copper w0.3: C20.2@55.577,38.277 C20.2@55.604,38.304 ; C23.2@57.05,49.1 C23.2@57.05,49.15 ; C22.2@58.904,42.104 C22.2@58.927,42.127 ; C14.2@99.047,51.05 100.747,51.05 101.391,50.406 101.391,50.056 v1(101.429,50.018) ; U2.4@111,51.1 111,50.5 111.3,50.2 C6.2@111.3,49.6 ; U7.A@123.188,32.713 U7.A@123.2,32.725